# Altium PCB TIDA-01576_ADS8686S_AFE.PcbDoc (part 2 of 3)
Units mil, origin at the board's own origin, x right, y up, seen from the top; angles counter-clockwise.
Board outline 5511.81 x 3346.46 mil, 4 copper layers (Top Layer, GND, PWR, Bottom Layer), stack 61.6 mil thick; 296 components, 132 nets, 698 pads, 252 vias.
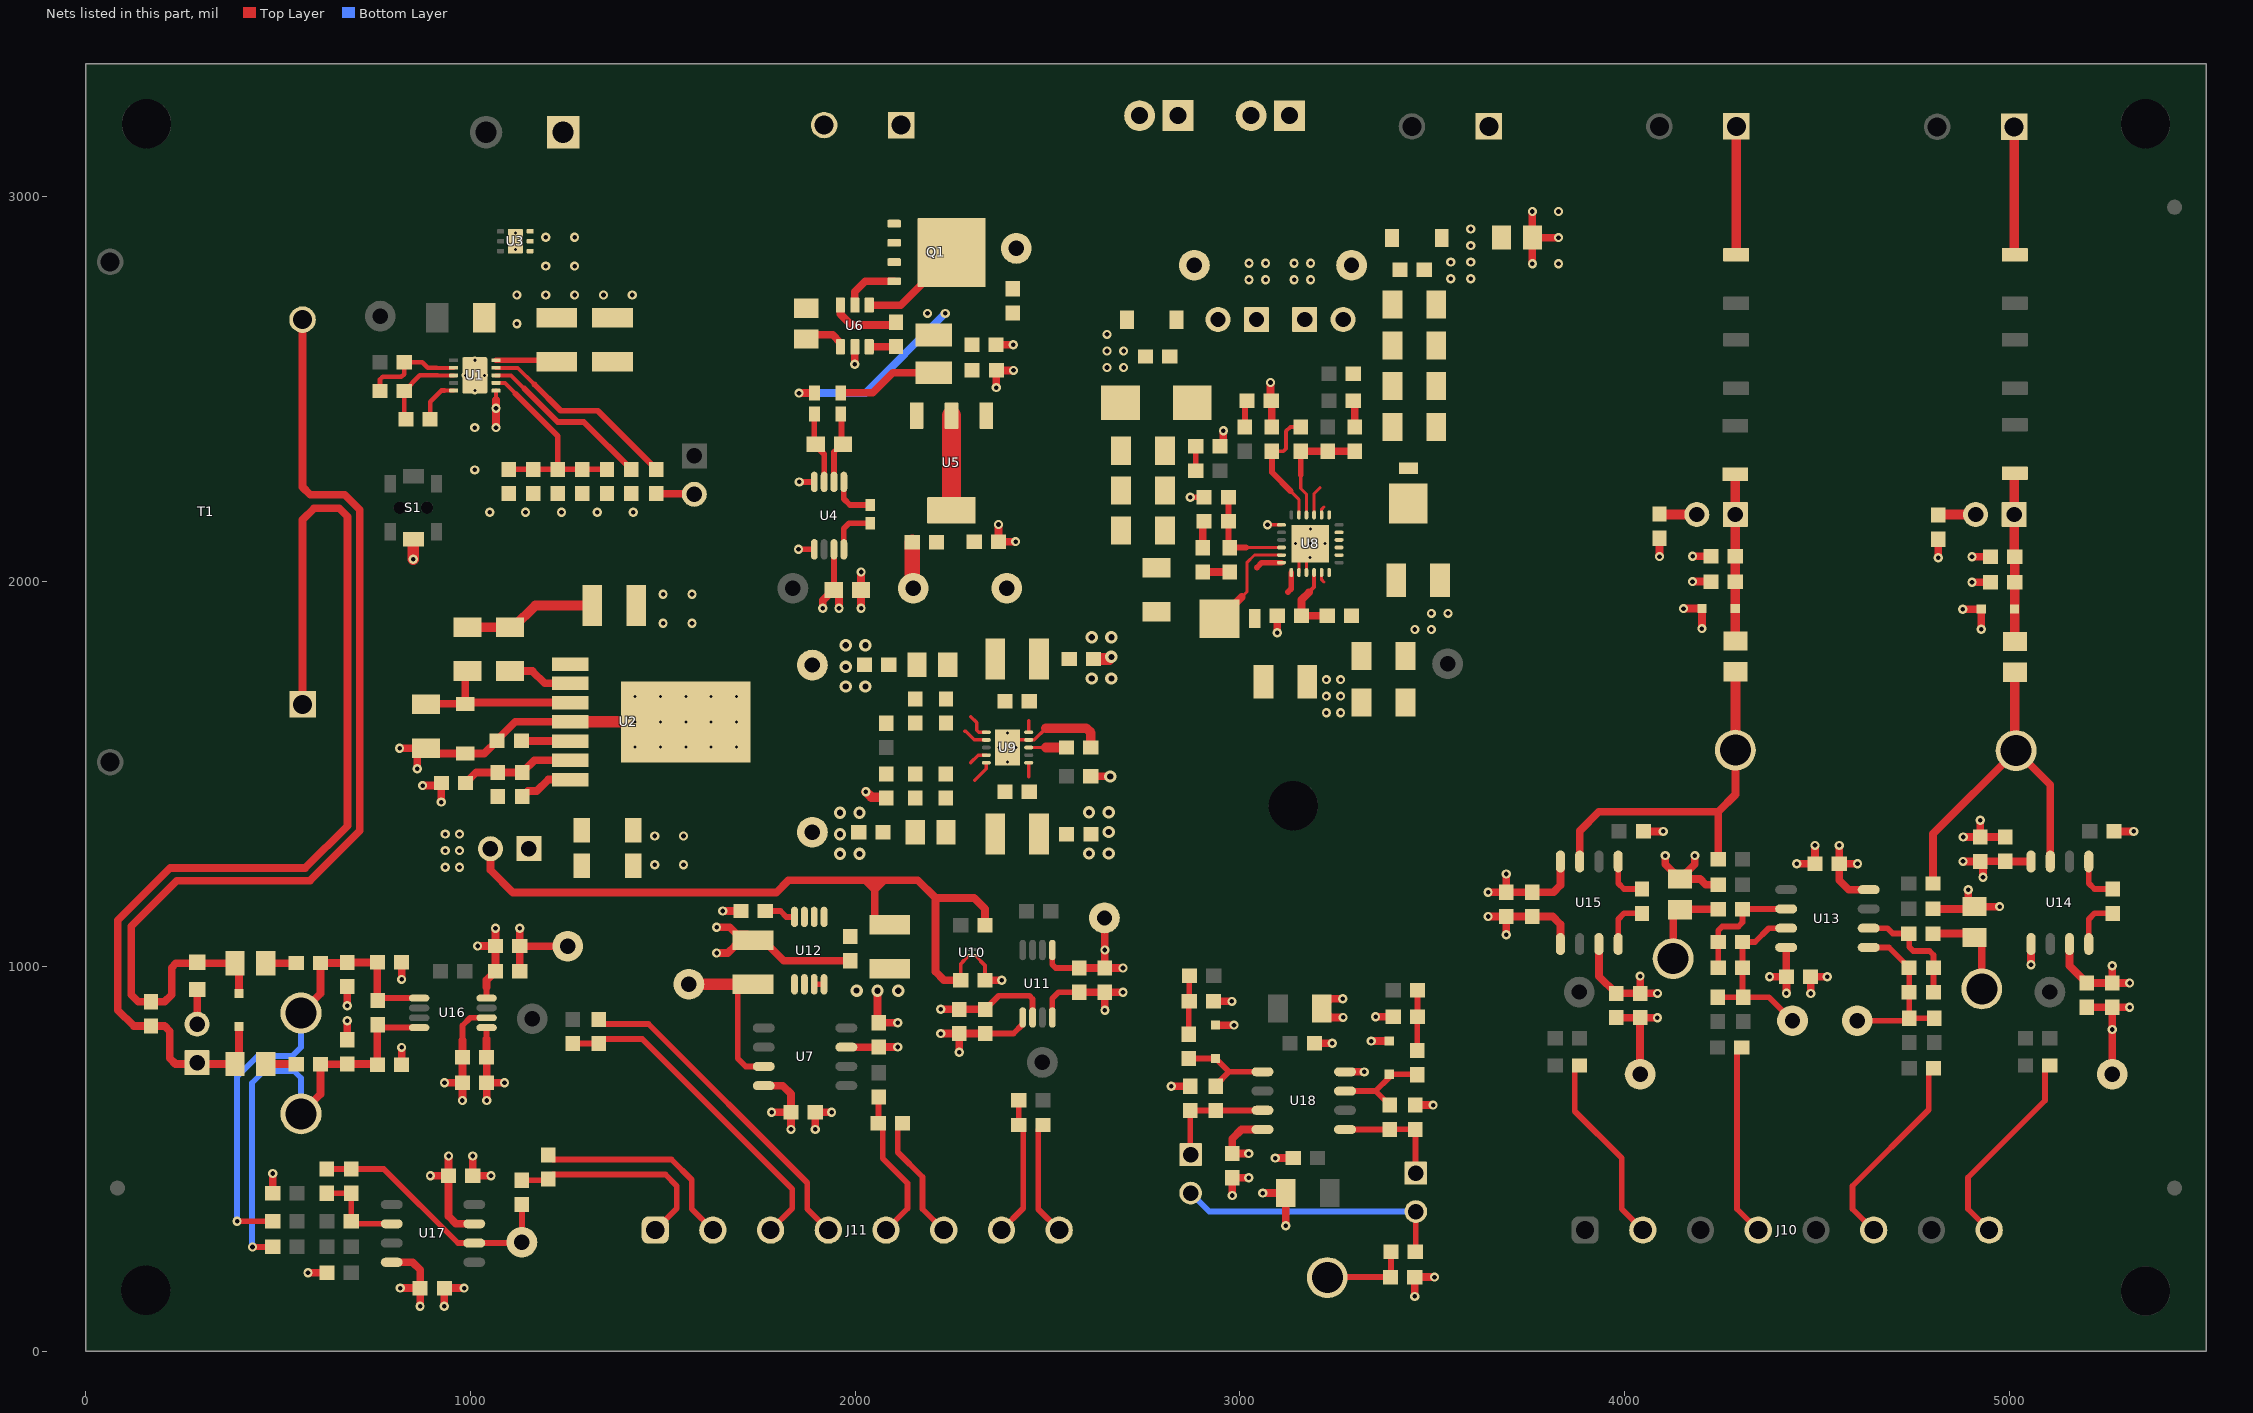
[diagram p4: the nets of this part, all layers, seen from the top]

## Part data (continued)
D2 D5: "Diode, Schottky, 20 V, 1 A, POWERMITE", Manufacturer="ON Semiconductor", Supplier Part Number 1=MBRM120ET3GOSCT-ND, Value1=1A, Value2=0.53V, ComponentLink1Description="Datasheet link", ComponentLink1URL=http://www.onsemi.com/pub_link/Collateral/MBRM120E-D.PDF, CompType=Diode, Io_A=1, LatestRevisionDate=2015-02-10, MountType=SMT, PackageReference=POWERMITE, PartNumber=MBRM120ET1G, Published=2008-06-26, Publisher="Texas Instruments", Supplier 1=Digi-Key, SymbolVersion=2008-12-08, Type=Schottky, U/M=EA, Vf_V=0.53, Vr_V=20
D3 D4: "Diode, Zener, 15V, 1W, SOD-123", Manufacturer=Panasonic, Supplier Part Number 1=DZ2W15000LCT-ND, ComponentLink1Description="Datasheet link", ComponentLink1URL=http://www.semicon.panasonic.co.jp/ds4/DZ2W150_E.pdf, CompType=Zener, MountType=SMT, PackageReference=SOD-123, PartNumber=DZ2W15000L, Publisher="Texas Instruments", RoHS=Y, Supplier 1=Digi-Key
D6 D7 D8: library part PESD3V3L1BA, "TVS DIODE 12VWM 37VC SOD323", Manufacturer="NXP Semiconductor", Supplier Part Number 1=568-4022-1-ND, ComponentLink1Description="Datasheet link", ComponentLink1URL=http://www.nxp.com/documents/data_sheet/PESDXL1BA_SER.pdf, CompType=DIODE, MountType=SMT, PackageReference=SOD323, PartNumber=PESD12VL1BA,115, RoHS=Y, Supplier 1=Digi-Key, SymbolCreator=x0199378, SymbolVersion=2015-04-16
D9 D10: "Diode, Switching, 100 V, 0.2 A, SOD-323", Manufacturer="Diodes Inc.", Supplier Part Number 1=BAV19WS-FDICT-ND, Value1=0.2A, Value2=1.25V, AEC Category=Q101, AEC Qualified=?, ComponentLink1Description="Datasheet link", ComponentLink1URL=http://www.diodes.com/datasheets/ds30119.pdf, CompType=Diode, Io_A=0.2, LatestRevisionDate=2016-07-19, MountType=SMT, PackageReference=SOD-323, PartNumber=BAV19WS-7-F, Published=2008-06-26, Publisher="Texas Instruments", RoHS=Y, SizeArea_mm2=3.645, SizeAreaWB_mm2=8.695, SizeX_mm=2.7, SizeY_mm=1.35, SizeZ_mm=1, Supplier 1=Digi-Key, Supplier 2=Mouser, Supplier Part Number 2=621-BAV19WS-F, SymbolVersion=2008-12-08, TJmax_C=150, Type=Switching, U/M=EA, Vf_V=1.25, Vr_V=100
FID1 FID2 FID3: library part Fiducial, "Fiducial mark.  There is nothing to buy or mount.", Manufacturer=N/A, ClassName=FiducialMark, ComponentLink1URL="Paste URL for datasheet here", CompType=Fiducial, LatestRevisionDate=2011-09-19, LatestRevisionNote="Added Alternate PartNumber and Alternate Manufacturer parameters to appropriate components.", MountType=N/A, PackageReference=Fiducial, PartNumber=N/A, Publisher="National Semiconductor", SymbolCreator=codlsc, SymbolVersion=2009-11-4
J1 J2: "Header, 100mil, 2x1, Gold, TH", Color=Black, Current_A=3, Manufacturer="Sullins Connector Solutions", Supplier Part Number 1=S1011E-02-ND, Voltage_V=1800, Cert_UL=Y, ClassName=Header, ComponentLink1Description="Datasheet URL", ComponentLink1URL=http://www.sullinscorp.com/catalogs/77_PAGE108-109_.100_MALE_HDR.pdf, CompType=Header, ContactFinish=Gold, Gender=Male, LatestRevisionDate=2016-06-23, MountType=TH, Orientation=Vertical, PackageReference="Sullins 100mil, 1x2, 230 mil above insulator", PartNumber=PBC02SAAN, PinCount=2, Pitch_mm=2.54, Publisher="Texas Instruments", RoHS=Y, Row_Count=1, Shrouded=N, Supplier 1=Digi-Key, SymbolCreator=a0412235, SymbolVersion=2013-10-31
J3: library part CMP-0054973-1, "Terminal Block, 2x1, 5.08mm, TH", Manufacturer="TE Connectivity", PartNumber=282841-2, Supplier Part Number 1=A98342-ND, CNHeader=FALSE, ComponentLink1Description="Datasheet URL", ComponentLink1URL=http://www.te.com/commerce/DocumentDelivery/DDEController?Action=srchrtrv&DocNm=282841&DocType=Customer+Drawing&DocLang=English, CompType="Terminal Block", CT=TRUE, Green_EU RoHS="Passed with Exemption", Green_EU RoHS-2=Incomplete, Green_Lifecycle=Active, Green_REACh=Passed, LatestRevisionDate=26/05/2017, MountType=TH, PackageReference=10.16x15.2x9mm, Publisher="Texas Instruments", RoHS=Y, Supplier 1=Digi-Key, Supplier 2=Newark, Supplier 3=Mouser, Supplier Part Number 2=12H8419, Supplier Part Number 3=571-2828412
J4 J9 J12 J13: "TERMINAL BLOCK 5.08MM VERT 2POS, TH", Manufacturer="On-Shore Technology", Supplier Part Number 1=ED1609-ND, ComponentLink1Description="Datasheet Link", ComponentLink1URL=http://www.on-shore.com/sites/default/files/manuals/ed120ds.pdf, CompType="Terminal Block", LatestRevisionDate=2013-12-06, MountType=TH, PackageReference="TERM_BLK, 2pos, 5.08mm", PartNumber=ED120/2DS, Publisher="Texas Instruments", RoHS=Y, Supplier 1=Digi-Key, SymbolCreator=a0412235, SymbolVersion=2013-09-04, U/M=EA
J5 J7 JP1 JP2 JP3: library part TSW-102-07-G-S, "Header, 100mil, 2x1, Gold, TH", Manufacturer="TE Connectivity", Supplier Part Number 1=A121480-ND, ClassName=Header, ComponentLink1Description="Datasheet Link", ComponentLink1URL=http://samtec.com/ftppub/pdf/TSW_TH.PDF, CompType=Header, LatestRevisionDate=2015-10-21, MountType=TH, PackageReference="2x1 Header", PartNumber=5-146280-2, Publisher="Texas Instruments", RoHS=Y, Supplier 1=Digi-Key, SymbolCreator=a0412235, SymbolVersion=2013-10-31, U/M=EA
J6 J8: "Terminal Block, 4x1, 2.54mm, TH", Manufacturer="On Shore Technology Inc", PartNumber=OSTVN02A150, Supplier Part Number 1=ED10561-ND, ComponentLink1Description="Datasheet Link", ComponentLink1URL=http://www.on-shore.com/sites/default/files/manuals/ostvnxxa150.pdf, CompType="Terminal Block", MountType=TH, PackageReference="TERM_BLK, 2pos, 2.54mm", Publisher=TI, RoHS=Y, Supplier 1=Digi-Key, SymbolCreator=x0120606
J10 J11: library part CMP-0078749-1, "Header(shrouded), 3.81mm, 8x1, Tin, R/A, TH", Color=Green, Current_A=8A, Manufacturer="Phoenix Contact", Supplier Part Number 1=277-1212-ND, Voltage_V=160V, Cert_CSA=Y, Cert_UL=Y, Cert_VDE=Y, ComponentLink1Description="Datasheet URL", ComponentLink1URL=https://www.phoenixcontact.com/online/portal/us/pxc/product_detail_page/!ut/p/z1/5VfJcuIwEP0V5sAtQi1bXnI0DgNhCxOWYF9csi0oZbzFdsjy9SMDqSFUDWQqxckula2l35Net1olYxcvsZuwjVizUqQJi2TbcXVv1p51OhNFJ3e_tDbc3mh2Z0jvSW-s4AV2sVvwiAclD21W8nWav2HHGg6rgZL52CFVLQuC39iZIE, CompType=Header, ContactFinish=Tin, Gender=Male, MountType=TH, Orientation=R/A, PackageReference="Header(shrouded), 3.81mm, 8x1, R/A, TH", PartNumber=1803332, PinCount=8, Pitch_mm=3.81, RoHS=Y, Row_Count=1, Shrouded=Y, Supplier 1=Digi-Key, Supplier 2=Newark, Supplier 3=Mouser, Supplier Part Number 2=14X8982, Supplier Part Number 3=651-1803332
J14 J15: "Header, 100mil, 2x1, Tin, TH", Color=Black, Current_A=3, Manufacturer="Sullins Connector Solutions", Supplier Part Number 1=S1012E-02-ND, Voltage_V=1800, Cert_UL=Y, ClassName=Header, ComponentLink1Description="Datasheet URL", ComponentLink1URL=http://www.sullinscorp.com/catalogs/77_PAGE108-109_.100_MALE_HDR.pdf, CompType=Header, ContactFinish=Tin, Gender=Male, Green_EU RoHS=Incomplete, Green_EU RoHS-2=Incomplete, Green_Lifecycle="Not Set", Green_REACh=Incomplete, LatestRevisionDate=2017-06-23, MountType=TH, Orientation=Vertical, PackageReference="Header, 2 PIN, 100mil, Tin", PartNumber=PEC02SAAN, PinCount=2, Pitch_mm=2.54, Publisher="Texas Instruments", RoHS=Y, Row_Count=1, Shrouded=N, Supplier 1=Digi-Key, SymbolCreator=a0412235, SymbolVersion=2013-10-31
L1 L2: "Inductor, Shielded, Ferrite, 4.7uH, 1.83A, 0.1 ohm, SMD", Manufacturer=TDK, Supplier Part Number 1=445-17203-1-ND, Value1="0.1 ohm", Value2=1.83A, ValueDisplayed=4.7µH, ComponentLink1Description="Datasheet link", ComponentLink1URL=http://www.tdk.co.jp/tefe02/e531_vlf.pdf, CompType=Inductor, DCR_ohm=0.1, Imax_A=1.83, Ind_H=4.7E-6, Irms="1.83A @ 40C rise", Isat="1.94A @ 30% inductance drop", LatestRevisionDate=2013-10-24, Material=Ferrite, MountType=SMT, PackageReference=IND_5x1.2x4mm, PartNumber=VLF504012MT-4R7M, Published=2008-06-26, Publisher="Texas Instruments", RoHS=Y, Supplier 1=Digi-Key, SymbolVersion=2008-07-23, Technology=Shielded, U/M=EA
L3 L4 L5 L6 L7 L8: "Ferrite Bead, 21 ohm @ 100 MHz, 6 A, 0805", Manufacturer="Taiyo Yuden", Supplier Part Number 1=587-1765-1-ND, Value1="0.004 ohm", Value2=6A, ComponentLink1Description="Datasheet link", ComponentLink1URL=http://www.yuden.co.jp/us/product/pdf/efbm_e.pdf, CompType="Ferrite Bead", DCR_ohm=0.004, Imax_A=6, LatestRevisionDate=2015-08-20, MountType=SMT, PackageReference=0805, PartNumber=FBMJ2125HM210NT, Published=2014-04-30, Publisher="Texas Instruments", RoHS=Y, Supplier 1=Digi-Key, SymbolVersion=2009-06-02, ZTyp@100MHz_Ohm=21
LBL1: library part THT-14-423-10, "Thermal Transfer Printable Labels, 0.650\" W x 0.200\" H - 10,000 per roll", Alternate Manufacturer=-, Manufacturer=Brady, Supplier Part Number 1=2065596, Alternate PartNumber=-, ClassName=Label, ComponentLink1Description="Web Page", ComponentLink1URL=http://www.bradyid.com/bradyid/pdpv/THT-14-423-10.html, CompType=Label, LatestRevisionDate=2012-07-31, LatestRevisionNote="Initial Version", MountType=N/A, Note="Size: 0.65\" x 0.20 \"", PackageReference="PCB Label 0.650\"H x 0.200\"W", PartNumber=THT-14-423-10, Publisher="Texas Instruments", RoHS=Y, Supplier 1=Farnell, Supplier 2=Newark, Supplier Part Number 2=97C5133, SymbolCreator=a0412235, SymbolVersion=2012-06-12
Logo1: library part Pb-Free, LatestRevisionDate=2016-03-21, Published=2009-03-03, Publisher="Texas Instruments", SymbolCreator=a0412235, SymbolVersion=2011-08-22
Logo3: library part CMP-0074769-1, Lib Reference="WEEE logo", PartNumber="WEEE logo"
LOGO4: library part IEC_HighVoltage, "IEC 61010-1 High Voltage Warning", LatestRevisionDate=2016-03-21, Published=2009-03-03, Publisher="Texas Instruments", SymbolCreator=a0412235, SymbolVersion=2011-08-22
Logo5: library part ESD_Susceptible, "ESD Susceptible Symbol", LatestRevisionDate=2016-03-21, Published=2009-03-03, Publisher="Texas Instruments", SymbolCreator=a0412235, SymbolVersion=2011-08-22
Logo6: library part FCC_disclaimer, "FCC_disclaimer", LatestRevisionDate=2014-11-20, Published=2009-03-03, Publisher="Texas Instruments", SymbolCreator=codlsc, SymbolVersion=2011-08-22
MH1 MH2 MH3 MH4 MH5: library part "NY PMS 440 0025 PH", "Mountin hole, NPTH Drill 3.2mm", Alternate Manufacturer=-, Alternate PartNumber=-, ClassName="Mounting Holes", ComponentLink1Description="Datasheet Link", CompType=Hardware, MountType=N/A, PackageReference=Screw, Publisher="Texas Instruments", RoHS=Y
Q1: library part CMP-0000817-1, "MOSFET, N-CH, 60 V, 50 A, DQJ0008A (VSONP-8)", Alternate Manufacturer=None, Manufacturer="Texas Instruments", Supplier Part Number 1=296-35583-1-ND, Value1=0.009, Value2="22 nC", AEC Category=Q101, AEC Qualified=N, ChType=N, ComponentLink1Description="Datasheet link", ComponentLink1URL=http://www.ti.com/lit/ds/symlink/csd18534q5a.pdf, CompType=MOSFET, IdsMax_A=50A, LatestRevisionDate=2017-03-09, LatestRevisionNote="Added parts.", MountType=SMT, PackageReference=DQJ0008A, PartNumber=CSD18534Q5A, Published=2008-06-19, Publisher="Texas Instruments", QgTyp_nC=22, Rdson45_ohm=9.8m, RoHS=Y, SizeArea_mm2=29.4, SizeAreaWB_mm2=55.2, SizeX_mm=6, SizeY_mm=4.9, SizeZ_mm=1.1, Supplier 1=Digi-Key, Supplier 2=Newark, Supplier 3=Mouser, Supplier Part Number 2=63W3706, Supplier Part Number 3=595-CSD18534Q5A, U/M=EA, VdsMax_V=60V, Vgs_V=2.3V
R1: "RES, 49.9 k, 1%, 0.1 W, 0603", Manufacturer=Vishay-Dale, Power_W=0.1, Supplier Part Number 1=541-49.9KHCT-ND, TempCo="100 ppm/C", Tolerance_%=1, Value1=1%, Value2=0.1W, Value_Code=49k9, ValueDisplayed=49.9k, AEC Category=Q200, AEC Qualified=?, ComponentLink1Description="Datasheet link", ComponentLink1URL=http://www.vishay.com/docs/20035/dcrcwe3.pdf, CompType=Resistor, EIA_Code=E96, Green_EU RoHS="Passed with Exemption", Green_EU RoHS-2=Passed, Green_Lifecycle=Active, Green_REACh=Passed, LatestRevisionDate=2017-06-13, MountType=SMT, PackageReference=0603, PartNumber=CRCW060349K9FKEA, Published=2008-06-26, Publisher="Texas Instruments", Res_ohm=49900, RoHS=Y, SizeArea_mm2=1.28, SizeX_mm=1.6, SizeY_mm=0.8, SizeZ_mm=1, Supplier 1=Digi-Key, Supplier 2=Mouser, Supplier 3=Farnell, Supplier Part Number 2=71-CRCW0603-49.9K-E3, Supplier Part Number 3=1652882, SymbolVersion=2009-05-29, Technology="Thick Film", U/M=EA, VDC_V=75
R2: "RES, 5.62 k, 1%, 0.1 W, 0603", Manufacturer="Yageo America", Power_W=0.1, Supplier Part Number 1=311-5.62KHRCT-ND, TempCo="200 ppm/C", Tolerance_%=1, Value1=1%, Value2=0.1W, Value_Code=5k62, ValueDisplayed=5.62k, AEC Category=Q200, AEC Qualified=?, ComponentLink1Description="Datasheet link", ComponentLink1URL=http://www.yageo.com/pdf/Pu-RC0603_51_PbFree_L_2.pdf, CompType=Resistor, EIA_Code=E96, Green_EU RoHS="Passed with Exemption", Green_EU RoHS-2=Passed, Green_Lifecycle=Active, Green_REACh=Passed, LatestRevisionDate=2017-06-13, MountType=SMT, PackageReference=0603, PartNumber=RC0603FR-075K62L, Published=2008-06-26, Publisher="Texas Instruments", Res_ohm=5620, RoHS=Y, SizeArea_mm2=1.28, SizeX_mm=1.6, SizeY_mm=0.8, SizeZ_mm=1, Supplier 1=Digi-Key, Supplier 2=Mouser, Supplier 3=Farnell, Supplier Part Number 2=603-RC0603FR-075K62L, Supplier Part Number 3=4760311, SymbolVersion=2009-05-29, Technology="Thick Film", U/M=EA, VDC_V=150
R3: "RES, 887 k, 1%, 0.1 W, 0603", Manufacturer=Vishay-Dale, Power_W=0.1, Supplier Part Number 1=541-887KHCT-ND, TempCo="100 ppm/C", Tolerance_%=1, Value1=1%, Value2=0.1W, Value_Code=887k, AEC Category=Q200, AEC Qualified=?, ComponentLink1Description="Datasheet link", ComponentLink1URL=http://www.vishay.com/docs/20035/dcrcwe3.pdf, CompType=Resistor, EIA_Code=E96, Green_EU RoHS="Passed with Exemption", Green_EU RoHS-2=Passed, Green_Lifecycle=Active, Green_REACh=Passed, LatestRevisionDate=2017-06-13, MountType=SMT, PackageReference=0603, PartNumber=CRCW0603887KFKEA, Published=2008-06-26, Publisher="Texas Instruments", Res_ohm=887000, RoHS=Y, SizeArea_mm2=1.28, SizeX_mm=1.6, SizeY_mm=0.8, SizeZ_mm=1, Supplier 1=Digi-Key, Supplier 2=Newark, Supplier 3=Mouser, Supplier Part Number 2=52K8757, Supplier Part Number 3=71-CRCW0603-887K-E3, SymbolVersion=2009-05-29, Technology="Thick Film", U/M=EA, ValueDisplayed=887k, VDC_V=75
R4: "RES, 68.1 k, 1%, 0.25 W, 1206", Manufacturer=Vishay-Dale, Power_W=0.25, Supplier Part Number 1=541-68.1KFCT-ND, TempCo="100 ppm/C", Tolerance_%=1, Value1=1%, Value2=0.25W, Value_Code=68k1, ValueDisplayed=68.1k, AEC Category=Q200, AEC Qualified=?, ComponentLink1Description="Datasheet link", ComponentLink1URL=http://www.vishay.com/docs/20035/dcrcwe3.pdf, CompType=Resistor, EIA_Code=E96, LatestRevisionDate=2017-05-17, MountType=SMT, PackageReference=1206, PartNumber=CRCW120668K1FKEA, Published=2008-06-26, Publisher="Texas Instruments", Res_ohm=68100, RoHS=Y, SizeArea_mm2=5.12, SizeX_mm=3.2, SizeY_mm=1.6, SizeZ_mm=1.35, Supplier 1=Digi-Key, Supplier 2=Newark, Supplier 3=Mouser, Supplier Part Number 2=53K2570, Supplier Part Number 3=71-CRCW1206-68.1K-E3, SymbolVersion=2009-05-29, Technology="Thick Film", U/M=EA, VDC_V=200
R5: "RES, 61.9 k, 1%, 0.25 W, 1206", Manufacturer="Yageo America", Power_W=0.25, Supplier Part Number 1=311-61.9KFRCT-ND, TempCo="100 ppm/C", Tolerance_%=1, Value1=1%, Value2=0.25W, Value_Code=61k9, ValueDisplayed=61.9k, AEC Category=Q200, AEC Qualified=?, ComponentLink1Description="Datasheet link", ComponentLink1URL=http://www.yageo.com/pdf/Pu-RC1206_51_PbFree_L_2.pdf, CompType=Resistor, EIA_Code=E96, LatestRevisionDate=2017-05-17, MountType=SMT, PackageReference=1206, PartNumber=RC1206FR-0761K9L, Published=2008-06-26, Publisher="Texas Instruments", Res_ohm=61900, RoHS=Y, SizeArea_mm2=5.12, SizeX_mm=3.2, SizeY_mm=1.6, SizeZ_mm=1.35, Supplier 1=Digi-Key, Supplier 2=Mouser, Supplier Part Number 2=603-RC1206FR-0761K9L, SymbolVersion=2009-05-29, Technology="Thick Film", U/M=EA, VDC_V=200
R6: library part RT0603DRE071K07L, "RES SMD 1.07KOHM 0.1% 1/10W 0603", Manufacturer=Panasonic, Power_W=0.1, Supplier Part Number 1=P1.07KDBCT-ND, TempCo="50 ppm/C", Tolerance_%=0.5, Value1=0.5%, Value2=0.1W, Value_Code=1k07, ValueDisplayed=1.07k, AEC Category=Q200, AEC Qualified=?, ComponentLink1Description="Datasheet link", ComponentLink1URL=http://www.yageo.com/pdf/PYu-RT_1-to-0.05_RoHS_L_3.pdf, CompType=Resistor, EIA_Code=E192, LatestRevisionDate=2017-05-04, MountType=SMT, PackageReference=0603, PartNumber=ERA-3AEB1071V, Published=2008-06-26, Publisher="Texas Instruments", Res_ohm=1070, RoHS=Y, SizeArea_mm2=1.28, SizeX_mm=1.6, SizeY_mm=0.8, SizeZ_mm=1, Supplier 1=Digi-Key, SymbolVersion=2009-05-29, Technology="Thin Film", U/M=EA, VDC_V=75
R7: "RES, 29.4 k, 1%, 0.1 W, 0603", Manufacturer=Vishay-Dale, Power_W=0.1, Supplier Part Number 1=541-29.4KHCT-ND, TempCo="100 ppm/C", Tolerance_%=1, Value1=1%, Value2=0.1W, Value_Code=29k4, ValueDisplayed=29.4k, AEC Category=Q200, AEC Qualified=?, ComponentLink1Description="Datasheet link", ComponentLink1URL=http://www.vishay.com/docs/20035/dcrcwe3.pdf, CompType=Resistor, EIA_Code=E96, Green_EU RoHS="Passed with Exemption", Green_EU RoHS-2=Passed, Green_Lifecycle=Active, Green_REACh=Passed, LatestRevisionDate=2017-06-13, MountType=SMT, PackageReference=0603, PartNumber=CRCW060329K4FKEA, Published=2008-06-26, Publisher="Texas Instruments", Res_ohm=29400, RoHS=Y, SizeArea_mm2=1.28, SizeX_mm=1.6, SizeY_mm=0.8, SizeZ_mm=1, Supplier 1=Digi-Key, Supplier 2=Newark, Supplier 3=Mouser, Supplier Part Number 2=52K8364, Supplier Part Number 3=71-CRCW0603-29.4K-E3, SymbolVersion=2009-05-29, Technology="Thick Film", U/M=EA, VDC_V=75
R8: "RES, 11.8 k, 1%, 0.25 W, 1206", Manufacturer=Vishay-Dale, Power_W=0.25, Supplier Part Number 1=541-11.8KFCT-ND, TempCo="100 ppm/C", Tolerance_%=1, Value1=1%, Value2=0.25W, Value_Code=11k8, ValueDisplayed=11.8k, AEC Category=Q200, AEC Qualified=?, ComponentLink1Description="Datasheet link", ComponentLink1URL=http://www.vishay.com/docs/20035/dcrcwe3.pdf, CompType=Resistor, EIA_Code=E96, LatestRevisionDate=2017-05-17, MountType=SMT, PackageReference=1206, PartNumber=CRCW120611K8FKEA, Published=2008-06-26, Publisher="Texas Instruments", Res_ohm=11800, RoHS=Y, SizeArea_mm2=5.12, SizeX_mm=3.2, SizeY_mm=1.6, SizeZ_mm=1.35, Supplier 1=Digi-Key, Supplier 2=Newark, Supplier 3=Mouser, Supplier Part Number 2=53K1933, Supplier Part Number 3=71-CRCW1206-11.8K-E3, SymbolVersion=2009-05-29, Technology="Thick Film", U/M=EA, VDC_V=200
R9: "RES, 34.0 k, 1%, 0.1 W, 0603", Manufacturer=Vishay-Dale, Power_W=0.1, Supplier Part Number 1=541-34.0KHCT-ND, TempCo="100 ppm/C", Tolerance_%=1, Value1=1%, Value2=0.1W, Value_Code=34k0, ValueDisplayed=34.0k, AEC Category=Q200, AEC Qualified=?, ComponentLink1Description="Datasheet link", ComponentLink1URL=http://www.vishay.com/docs/20035/dcrcwe3.pdf, CompType=Resistor, EIA_Code=E96, LatestRevisionDate=2017-06-13, MountType=SMT, PackageReference=0603, PartNumber=CRCW060334K0FKEA, Published=2008-06-26, Publisher="Texas Instruments", Res_ohm=34000, RoHS=Y, SizeArea_mm2=1.28, SizeX_mm=1.6, SizeY_mm=0.8, SizeZ_mm=1, Supplier 1=Digi-Key, Supplier 2=Newark, Supplier 3=Mouser, Supplier Part Number 2=52K8436, Supplier Part Number 3=71-CRCW0603-34K-E3, SymbolVersion=2009-05-29, Technology="Thick Film", U/M=EA, VDC_V=75
R10: "RES, 7.50 k, 1%, 0.1 W, 0603", Manufacturer=Vishay-Dale, Power_W=0.1, Supplier Part Number 1=541-7.50KHCT-ND, TempCo="100 ppm/C", Tolerance_%=1, Value1=1%, Value2=0.1W, Value_Code=7k50, ValueDisplayed=7.50k, AEC Category=Q200, AEC Qualified=?, ComponentLink1Description="Datasheet link", ComponentLink1URL=http://www.vishay.com/docs/20035/dcrcwe3.pdf, CompType=Resistor, EIA_Code=E96, LatestRevisionDate=2016-12-16, MountType=SMT, PackageReference=0603, PartNumber=CRCW06037K50FKEA, Published=2008-06-26, Publisher="Texas Instruments", Res_ohm=7500, RoHS=Y, SizeArea_mm2=1.28, SizeX_mm=1.6, SizeY_mm=0.8, SizeZ_mm=1, Supplier 1=Digi-Key, Supplier 2=Mouser, Supplier 3=Farnell, Supplier Part Number 2=71-CRCW0603-7.5K-E3, Supplier Part Number 3=1469835, SymbolVersion=2009-05-29, Technology="Thick Film", U/M=EA, VDC_V=75
R11: "RES, 13.3 k, 1%, 0.1 W, 0603", Manufacturer=Vishay-Dale, Power_W=0.1, Supplier Part Number 1=541-13.3KHCT-ND, TempCo="100 ppm/C", Tolerance_%=1, Value1=1%, Value2=0.1W, Value_Code=13k3, ValueDisplayed=13.3k, AEC Category=Q200, AEC Qualified=?, ComponentLink1Description="Datasheet link", ComponentLink1URL=http://www.vishay.com/docs/20035/dcrcwe3.pdf, CompType=Resistor, EIA_Code=E96, LatestRevisionDate=2016-12-16, MountType=SMT, PackageReference=0603, PartNumber=CRCW060313K3FKEA, Published=2008-06-26, Publisher="Texas Instruments", Res_ohm=13300, RoHS=Y, SizeArea_mm2=1.28, SizeX_mm=1.6, SizeY_mm=0.8, SizeZ_mm=1, Supplier 1=Digi-Key, Supplier 2=Mouser, Supplier 3=Farnell, Supplier Part Number 2=71-CRCW0603-13.3K-E3, Supplier Part Number 3=1652840, SymbolVersion=2009-05-29, Technology="Thick Film", U/M=EA, VDC_V=75
R12: "RES, 26.7 k, 1%, 0.1 W, 0603", Manufacturer=Vishay-Dale, Power_W=0.1, Supplier Part Number 1=541-26.7KHCT-ND, TempCo="100 ppm/C", Tolerance_%=1, Value1=1%, Value2=0.1W, Value_Code=26k7, ValueDisplayed=26.7k, AEC Category=Q200, AEC Qualified=?, ComponentLink1Description="Datasheet link", ComponentLink1URL=http://www.vishay.com/docs/20035/dcrcwe3.pdf, CompType=Resistor, EIA_Code=E96, LatestRevisionDate=2016-12-16, MountType=SMT, PackageReference=0603, PartNumber=CRCW060326K7FKEA, Published=2008-06-26, Publisher="Texas Instruments", Res_ohm=26700, RoHS=Y, SizeArea_mm2=1.28, SizeX_mm=1.6, SizeY_mm=0.8, SizeZ_mm=1, Supplier 1=Digi-Key, Supplier 2=Mouser, Supplier 3=Farnell, Supplier Part Number 2=71-CRCW0603-26.7K-E3, Supplier Part Number 3=1768183, SymbolVersion=2009-05-29, Technology="Thick Film", U/M=EA, VDC_V=75
R13: "RES, 44.2 k, 1%, 0.1 W, 0603", Manufacturer=Vishay-Dale, Power_W=0.1, Supplier Part Number 1=541-44.2KHCT-ND, TempCo="100 ppm/C", Tolerance_%=1, Value1=1%, Value2=0.1W, Value_Code=44k2, ValueDisplayed=44.2k, AEC Category=Q200, AEC Qualified=?, ComponentLink1Description="Datasheet link", ComponentLink1URL=http://www.vishay.com/docs/20035/dcrcwe3.pdf, CompType=Resistor, EIA_Code=E96, LatestRevisionDate=2017-01-27, MountType=SMT, PackageReference=0603, PartNumber=CRCW060344K2FKEA, Published=2008-06-26, Publisher="Texas Instruments", Res_ohm=44200, RoHS=Y, SizeArea_mm2=1.28, SizeX_mm=1.6, SizeY_mm=0.8, SizeZ_mm=1, Supplier 1=Digi-Key, Supplier 2=Newark, Supplier 3=Mouser, Supplier Part Number 2=52K8533, Supplier Part Number 3=71-CRCW0603-44.2K-E3, SymbolVersion=2009-05-29, Technology="Thick Film", U/M=EA, VDC_V=75
R14: "RES, 267 k, 1%, 0.1 W, 0603", Manufacturer=Vishay-Dale, Power_W=0.1, Supplier Part Number 1=541-267KHCT-ND, TempCo="100 ppm/C", Tolerance_%=1, Value1=1%, Value2=0.1W, Value_Code=267k, AEC Category=Q200, AEC Qualified=?, ComponentLink1Description="Datasheet link", ComponentLink1URL=http://www.vishay.com/docs/20035/dcrcwe3.pdf, CompType=Resistor, EIA_Code=E96, LatestRevisionDate=2016-12-16, MountType=SMT, PackageReference=0603, PartNumber=CRCW0603267KFKEA, Published=2008-06-26, Publisher="Texas Instruments", Res_ohm=267000, RoHS=Y, SizeArea_mm2=1.28, SizeX_mm=1.6, SizeY_mm=0.8, SizeZ_mm=1, Supplier 1=Digi-Key, Supplier 2=Mouser, Supplier 3=Farnell, Supplier Part Number 2=71-CRCW0603-267K-E3, Supplier Part Number 3=1872697, SymbolVersion=2009-05-29, Technology="Thick Film", U/M=EA, ValueDisplayed=267k, VDC_V=75
R15 R16: "RES, 499 ohm, 1%, 0.063W, 0402", Manufacturer=Vishay-Dale, Power_W=0.063, Supplier Part Number 1=541-499LCT-ND, TempCo="100 ppm/C", Tolerance_%=1, Value1=1%, Value2=0.063W, Value_Code=499R, ComponentLink1Description="Datasheet link", ComponentLink1URL=http://www.vishay.com/docs/20035/dcrcwe3.pdf, CompType=Resistor, EIA_Code=E96, LatestRevisionDate=2013-11-01, MountType=SMT, PackageReference=0402, PartNumber=CRCW0402499RFKED, Published=2008-06-26, Publisher="Texas Instruments", Res_ohm=499, RoHS=Y, Supplier 1=Digi-Key, Supplier 2=Mouser, Supplier 3=Farnell, Supplier Part Number 2=71-CRCW0402-499-E3, Supplier Part Number 3=1469724, SymbolVersion=2009-05-29, Technology="Thick Film", U/M=EA, VDC_V=50
R17: "RES, 2.00 k, 1%, 0.063 W, 0402", Manufacturer=Vishay-Dale, Power_W=0.063, Supplier Part Number 1=541-2.00KLCT-ND, TempCo="100 ppm/C", Tolerance_%=1, Value1=1%, Value2=0.063W, Value_Code=2k00, ValueDisplayed=2.00k, AEC Category=Q200, AEC Qualified=?, ComponentLink1Description="Datasheet link", ComponentLink1URL=http://www.vishay.com/docs/20035/dcrcwe3.pdf, CompType=Resistor, EIA_Code=E96, Green_EU RoHS="Passed with Exemption", Green_EU RoHS-2=Passed, Green_Lifecycle=Active, Green_REACh=Passed, LatestRevisionDate=2017-06-12, MountType=SMT, PackageReference=0402, PartNumber=CRCW04022K00FKED, Published=2008-06-26, Publisher="Texas Instruments", Res_ohm=2000, RoHS=Y, SizeArea_mm2=0.5, SizeX_mm=1, SizeY_mm=0.5, SizeZ_mm=0.6, Supplier 1=Digi-Key, Supplier 2=Newark, Supplier 3=Mouser, Supplier Part Number 2=52K6788, Supplier Part Number 3=71-CRCW0402-2.0K-E3, SymbolVersion=2009-05-29, Technology="Thick Film", U/M=EA, VDC_V=50
R18 R20 R23: "RES, 0 ohm, 5%, 0.1W, 0603", Manufacturer=Vishay-Dale, Power_W=0.1, Supplier Part Number 1=541-0.0GCT-ND, TempCo="200 ppm/C", Tolerance_%=5, Value1=5%, Value2=0.1W, Value_Code=0000, ComponentLink1Description="Datasheet link", ComponentLink1URL=http://www.vishay.com/docs/20035/dcrcwe3.pdf, CompType=Resistor, EIA_Code=E24, LatestRevisionDate=2014-05-20, MountType=SMT, PackageReference=0603, PartNumber=CRCW06030000Z0EA, Published=2008-06-26, Publisher="Texas Instruments", Res_ohm=0, RoHS=Y, Supplier 1=Digi-Key, Supplier 2=Mouser, Supplier 3=Farnell, Supplier Part Number 2=71-CRCW0603-0-E3, Supplier Part Number 3=1469739, SymbolVersion=2009-05-29, Technology="Thick Film", U/M=EA, VDC_V=75
R19: "RES, 0.5, 1%, 0.33 W, 0805", Manufacturer="Susumu Co Ltd", Power_W=0.33, Supplier Part Number 1=RL12S.50FCT-ND, TempCo="200 ppm/C", Tolerance_%=1, Value1=1%, Value2=0.33W, Value_Code=R500, ValueDisplayed=0.5, AEC Category=Q200, AEC Grade=N/A, AEC Qualified=N, ComponentLink1Description="Datasheet link", ComponentLink1URL=http://www.susumu.co.jp/common/pdf/n_catalog_partition08_en.pdf, CompType=Resistor, LatestRevisionDate=2017-06-23, MountType=SMT, PackageReference=0805, PartNumber=RL1220S-R50-F, Published=2008-06-26, Publisher="Texas Instruments", Res_ohm=0.5, RoHS=Y, SizeArea_mm2=2.5, SizeX_mm=2, SizeY_mm=1.25, SizeZ_mm=0.7, Supplier 1=Digi-Key, Supplier 2=Newark, Supplier 3=Mouser, Supplier Part Number 2=28K1634, Supplier Part Number 3=754-RL1220S-R50-F, SymbolVersion=2009-05-29, Technology="Thin Film", U/M=EA
R21 R22 R43 R83: "RES, 8.06 k, 0.1%, 0.1 W, 0603", Manufacturer="Susumu Co Ltd", Power_W=0.1, Supplier Part Number 1=RG16P8.06KBCT-ND, TempCo="25 ppm/C", Value1=0.1%, Value2=0.1W, Value_Code=8k06, ValueDisplayed=8.06k, AEC Category=Q200, AEC Qualified=?, ComponentLink1Description="Datasheet link", ComponentLink1URL=http://www.susumu.co.jp/english/pdf/products-j01-01.pdf, CompType=Resistor, EIA_Code=E192, LatestRevisionDate=2017-06-13, MountType=SMT, PackageReference=0603, PartNumber=RG1608P-8061-B-T5, Published=2008-06-26, Publisher="Texas Instruments", Res_ohm=8060, RoHS=Y, SizeArea_mm2=1.28, SizeX_mm=1.6, SizeY_mm=0.8, SizeZ_mm=1, Supplier 1=Digi-Key, Supplier 2=Mouser, Supplier Part Number 2=754-RG1608P-8061-BT5, SymbolVersion=2009-05-29, Technology="Metal Film", Tolerance_%=0.1, U/M=EA, VDC_V=75
R24 R25 R66 R68 R87 R88 R94: "RES, 0, 5%, 0.1 W, 0603", Manufacturer="Yageo America", Power_W=0.1, Supplier Part Number 1=311-0.0GRCT-ND, TempCo="200 ppm/C", Tolerance_%=5, Value1=5%, Value2=0.1W, Value_Code=0000, ValueDisplayed=0, AEC Category=Q200, AEC Qualified=?, ComponentLink1Description="Datasheet link", ComponentLink1URL=http://www.yageo.com/pdf/Pu-RC0603_51_PbFree_L_2.pdf, CompType=Resistor, EIA_Code=E24, LatestRevisionDate=2016-03-05, MountType=SMT, PackageReference=0603, PartNumber=RC0603JR-070RL, Published=2008-06-26, Publisher="Texas Instruments", Res_ohm=0, RoHS=Y, Supplier 1=Digi-Key, Supplier 2=Mouser, Supplier 3=Farnell, Supplier Part Number 2=603-RC0603JR-070RL, Supplier Part Number 3=9233130, SymbolVersion=2009-05-29, Technology="Thick Film", U/M=EA, VDC_V=50
R26: "RES, 0 ohm, 5%, 0.25W, 1206", Manufacturer=Vishay-Dale, Power_W=0.25, Supplier Part Number 1=541-0.0ECT-ND, TempCo="200 ppm/C", Tolerance_%=5, Value1=5%, Value2=0.25W, Value_Code=0000, ComponentLink1Description="Datasheet link", ComponentLink1URL=http://www.vishay.com/docs/20035/dcrcwe3.pdf, CompType=Resistor, EIA_Code=E24, LatestRevisionDate=2013-10-09, MountType=SMT, PackageReference=1206, PartNumber=CRCW12060000Z0EA, Published=2008-06-26, Publisher="Texas Instruments", Res_ohm=0, RoHS=Y, Supplier 1=Digi-Key, Supplier 2=Mouser, Supplier 3=Farnell, Supplier Part Number 2=71-CRCW1206-0-E3, Supplier Part Number 3=1469963, SymbolVersion=2009-05-29, Technology="Thick Film", U/M=EA, VDC_V=200
R27 R30 R32 R38 R39 R44 R47 R49: "RES, 0, 5%, 0.1 W, 0603", Manufacturer=Vishay-Dale, Power_W=0.1, Supplier Part Number 1=541-0.0GCT-ND, TempCo="200 ppm/C", Tolerance_%=5, Value1=5%, Value2=0.1W, Value_Code=0000, ValueDisplayed=0, ComponentLink1Description="Datasheet link", ComponentLink1URL=http://www.vishay.com/docs/20035/dcrcwe3.pdf, CompType=Resistor, EIA_Code=E24, LatestRevisionDate=2014-12-16, MountType=SMT, PackageReference=0603, PartNumber=CRCW06030000Z0EA, Published=2008-06-26, Publisher="Texas Instruments", Res_ohm=0, RoHS=Y, Supplier 1=Digi-Key, Supplier 2=Mouser, Supplier 3=Farnell, Supplier Part Number 2=71-CRCW0603-0-E3, Supplier Part Number 3=1469739, SymbolVersion=2009-05-29, Technology="Thick Film", U/M=EA, VDC_V=75
R28: "RES, 576 k, 1%, 0.1 W, 0603", Manufacturer=Vishay-Dale, Power_W=0.1, Supplier Part Number 1=541-576KHCT-ND, TempCo="100 ppm/C", Tolerance_%=1, Value1=1%, Value2=0.1W, Value_Code=576k, ComponentLink1Description="Datasheet link", ComponentLink1URL=http://www.vishay.com/docs/20035/dcrcwe3.pdf, CompType=Resistor, EIA_Code=E96, LatestRevisionDate=2014-12-16, MountType=SMT, PackageReference=0603, PartNumber=CRCW0603576KFKEA, Published=2008-06-26, Publisher="Texas Instruments", Res_ohm=576000, RoHS=Y, Supplier 1=Digi-Key, Supplier 2=Mouser, Supplier 3=Farnell, Supplier Part Number 2=71-CRCW0603-576K-E3, Supplier Part Number 3=1878635, SymbolVersion=2009-05-29, Technology="Thick Film", U/M=EA, ValueDisplayed=576k, VDC_V=75
R29 R33 R34: "RES, 49.9 k, 0.1%, 0.1 W, 0603", Manufacturer="Susumu Co Ltd", Power_W=0.1, Supplier Part Number 1=RG16P49.9KBCT-ND, TempCo="25 ppm/C", Value1=0.1%, Value2=0.1W, Value_Code=49k9, ValueDisplayed=49.9k, ComponentLink1Description="Datasheet link", ComponentLink1URL=http://www.susumu.co.jp/english/pdf/products-j01-01.pdf, CompType=Resistor, EIA_Code=E192, LatestRevisionDate=2014-12-16, MountType=SMT, PackageReference=0603, PartNumber=RG1608P-4992-B-T5, Published=2008-06-26, Publisher="Texas Instruments", Res_ohm=49900, RoHS=Y, Supplier 1=Digi-Key, Supplier 2=Mouser, Supplier 3=Farnell, Supplier Part Number 2=754-RG1608P-4992-BT5, Supplier Part Number 3=9367926, SymbolVersion=2009-05-29, Technology="Metal Film", Tolerance_%=0.1, U/M=EA, VDC_V=75
R31: library part RC0603FR-07620KL, "RES SMD 620K OHM 1% 1/10W 0603", Manufacturer=Vishay-Dale, Power_W=0.1, Supplier Part Number 1=541-620KHCT-ND, TempCo="200 ppm/C", Tolerance_%=1, Value1=1%, Value2=0.1W, Value_Code=620k, ComponentLink1Description="Datasheet link", ComponentLink1URL=http://www.yageo.com/pdf/Pu-RC0603_51_PbFree_L_2.pdf, CompType=Resistor, LatestRevisionDate=2014-12-16, MountType=SMT, PackageReference=0603, PartNumber=CRCW0603620KFKEA, Published=2008-06-26, Publisher="Texas Instruments", Res_ohm=620000, RoHS=Y, Supplier 1=Digi-Key, Supplier 2=Mouser, Supplier Part Number 2=603-RC0603FR-07620KL, SymbolVersion=2009-05-29, Technology="Thick Film", U/M=EA, ValueDisplayed=620k, VDC_V=150